# Altium PCB Testopstelling_DA_BOX_STEDIN_V2.PcbDoc (part 1 of 3) (continued)
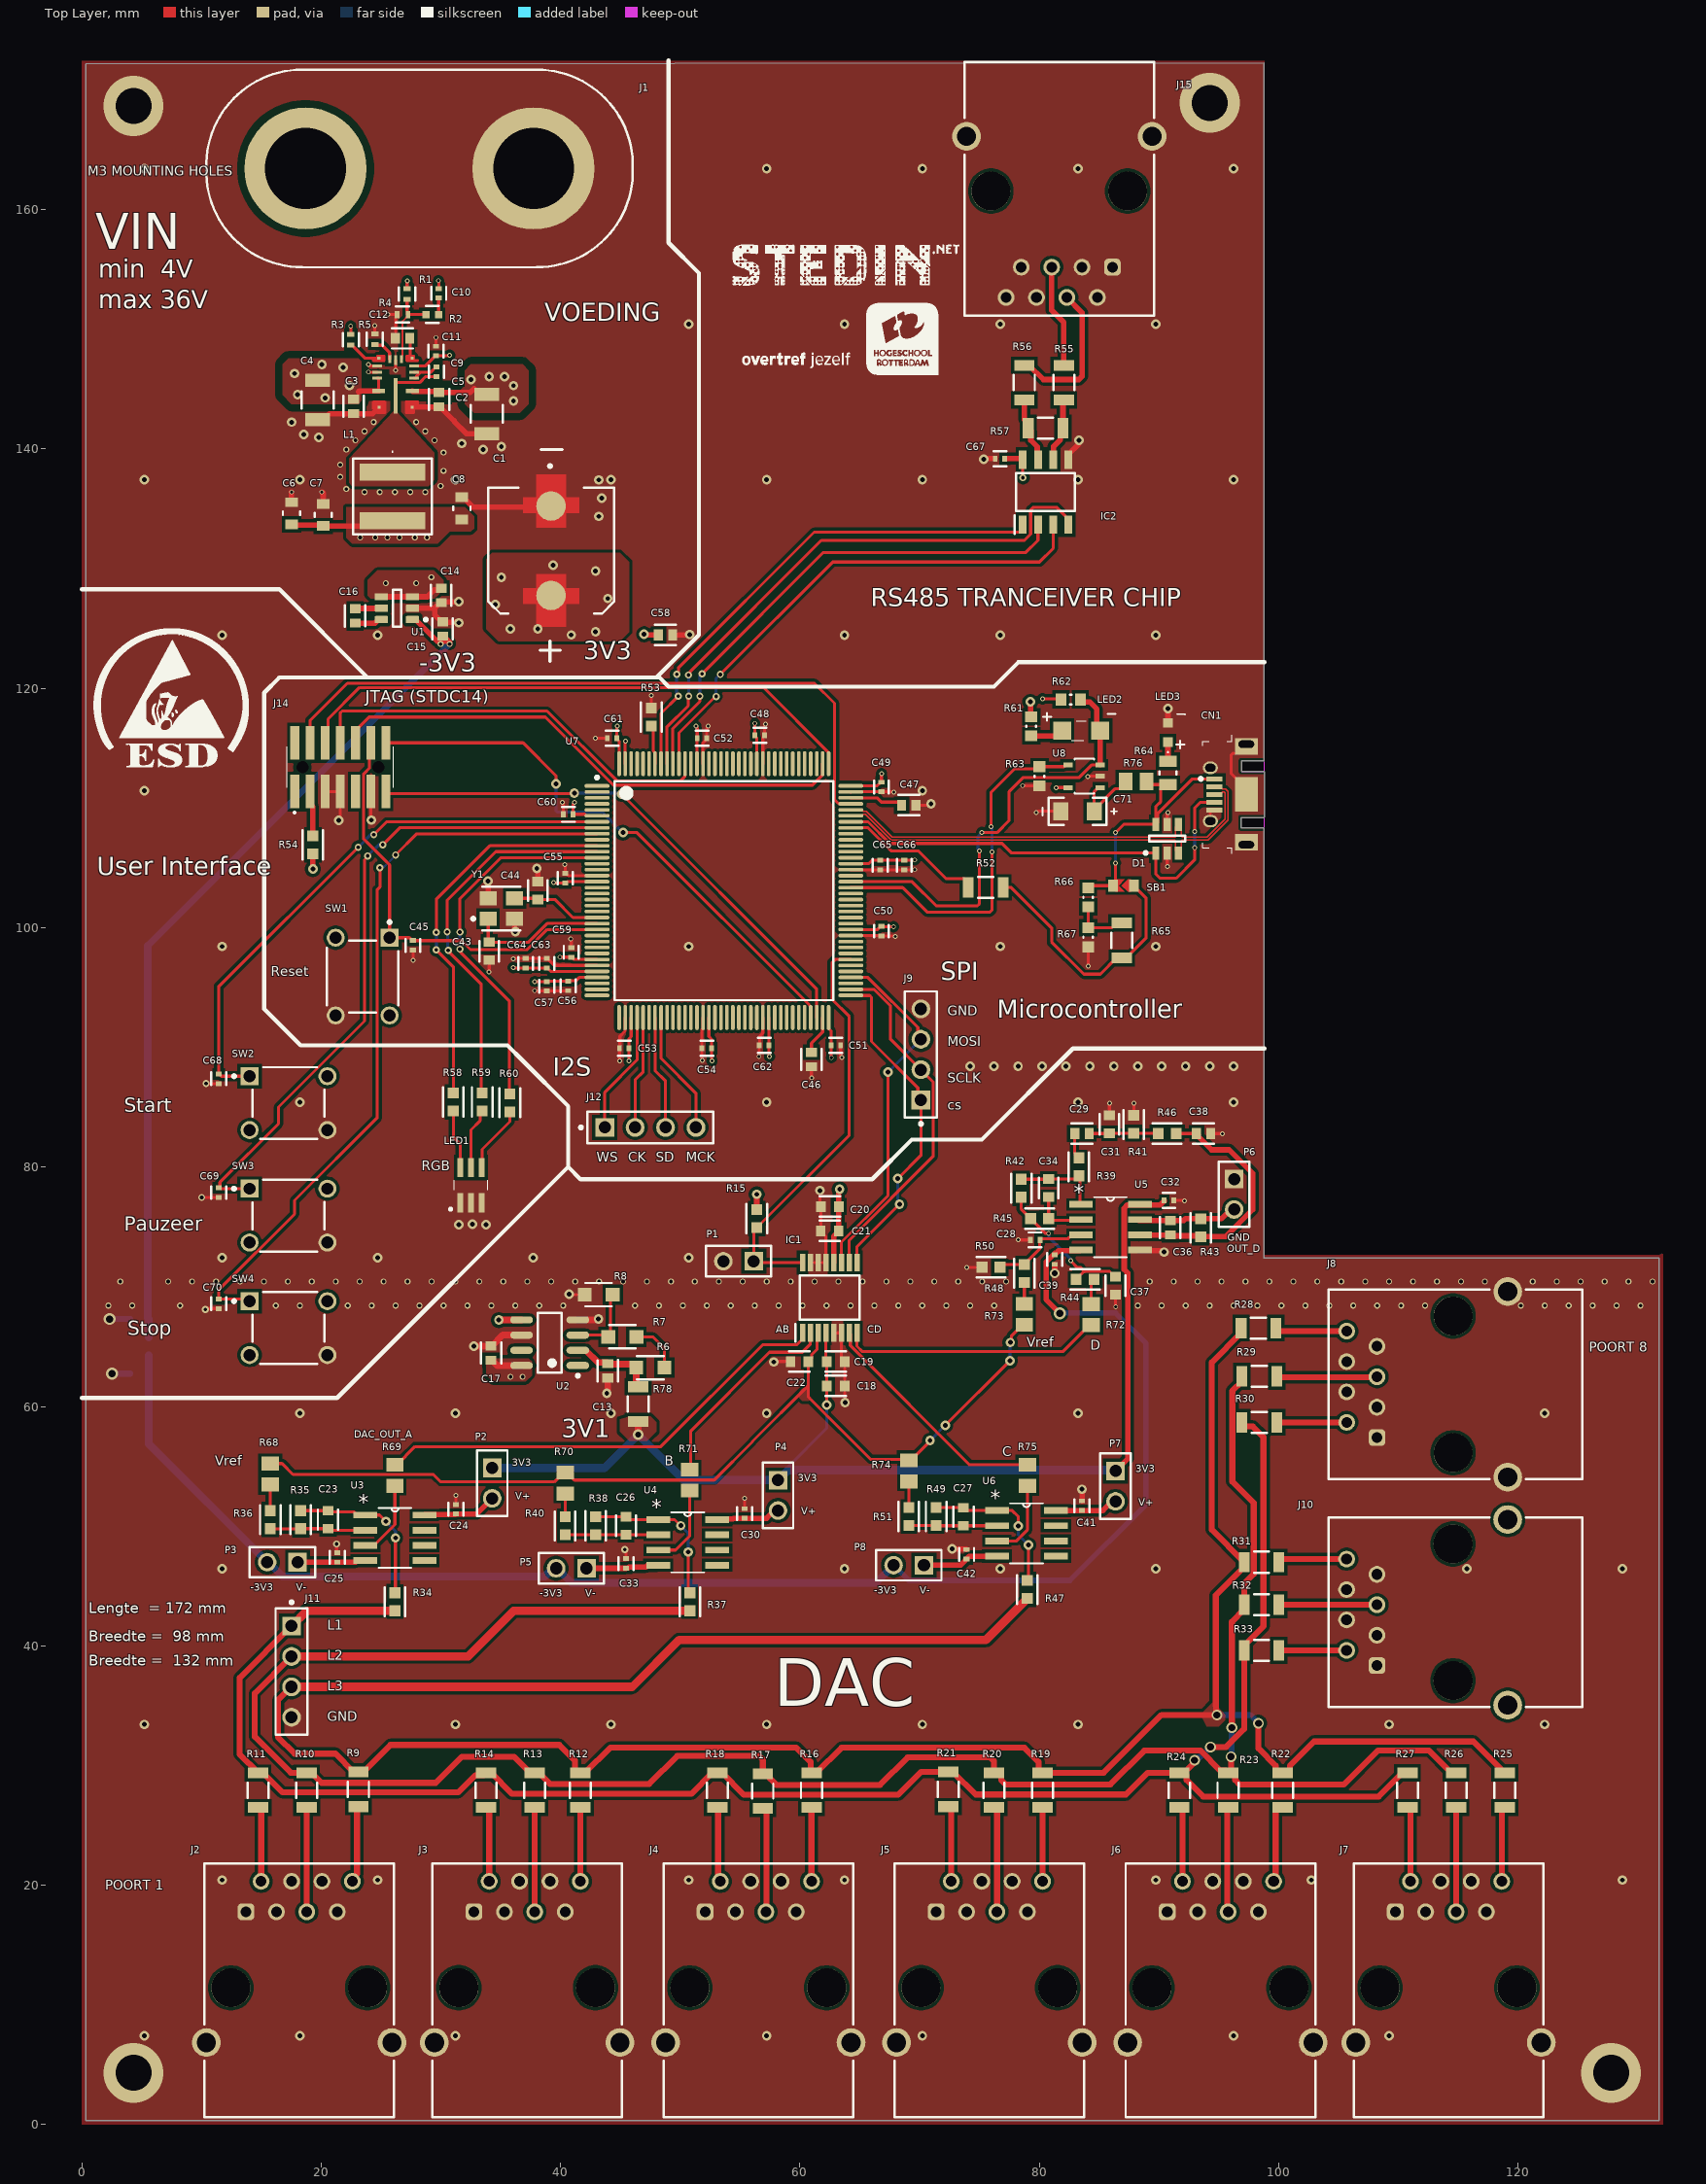
[diagram p0: Top Layer view]
## Part data (continued)
C34: library part CMP-03422-001062-1, "AC0603 68 pF NP0 5.00% 50 V", Manufacturer=Yageo, Manufacturer Part Number=AC0603JRNPO9BN271, Package=AC0603, Temperature="-55°C to +125°C", Temperature Characteristic=NP0, Temperature Coefficient=15%, Temperature Range High=+125°C, Temperature Range Low=-55°C, Tolerance=0.05, Voltage Rating="50 V", Automotive=Yes, Automotive Grade="Grade 1", Capacitance="68 pF", Category=Cap, ComponentLink2Description=Datasheet, ComponentLink2URL=http://www.yageo.com/documents/recent/UPY-AC_NP0X7R_16V-to-630V_12.pdf, Device Class L1="Passive Components", Device Class L2=Capacitors, Device Class L3="Ceramic Capacitors", Footprint Url=http://www.yageo.com/exep/pages/download/literatures/UPY-C_GEN_24.pdf, Generic part Eurocircuits=GPC0603680, Height=0.9mm, Ipc Land Pattern Name=CAPC16080X80, Lead Free=Yes, Material=Ceramic, Octopart=https://octopart.com/ac0603jrnpo9bn271-yageo-87214073, RoHS=TRUE
C36 C38: library part CMP-2006-03056-2, "CAP CER 15 nF 50V 5% X7R 0603                                           Eurocircuits generic components:                                 GPC0603153", Manufacturer=KEMET, Manufacturer Part Number=C0603C104J5RACTU, Package=C0603C-CF, Temperature="-55°C to +125°C", Temperature Characteristic=X7R, Temperature Coefficient=30ppm/°C, Temperature Range High=+125°C, Temperature Range Low=-55°C, Tolerance=0.05, Voltage Rating="50 V", Automotive=Yes, Automotive Grade="Grade 1", Capacitance="15 nF", Category=Cap, ComponentLink2Description=Datasheet, ComponentLink2URL=https://api.kemet.com/component-edge/download/datasheet/C0603C100J5GACAUTO.pdf, Device Class L1="Passive Components", Device Class L2=Capacitors, Device Class L3="Ceramic Capacitors", Digikey Description="CAP CER 0.1UF 50V 5% X7R 0603", Generic part Eurocircuits=GPC0603153, Height=0.87mm, Lead Free=Yes, Material=Ceramic, Mouser Description="Multilayer Ceramic Capacitors MLCC - SMD/SMT 50volts 0.1uF X7R 5%", Octopart=https://octopart.com/c0603c104j5ractu-kemet-10440638, RoHS=TRUE
C37: library part CMP-03422-001062-1, "AC0603 330 pF NP0 5.00% 50 V", Manufacturer=Yageo, Manufacturer Part Number=AC0603JRNPO9BN271, Package=AC0603, Temperature="-55°C to +125°C", Temperature Characteristic=NP0, Temperature Coefficient=15%, Temperature Range High=+125°C, Temperature Range Low=-55°C, Tolerance=0.05, Voltage Rating="50 V", Automotive=Yes, Automotive Grade="Grade 1", Capacitance="330 pF", Category=Cap, ComponentLink2Description=Datasheet, ComponentLink2URL=http://www.yageo.com/documents/recent/UPY-AC_NP0X7R_16V-to-630V_12.pdf, Device Class L1="Passive Components", Device Class L2=Capacitors, Device Class L3="Ceramic Capacitors", Footprint Url=http://www.yageo.com/exep/pages/download/literatures/UPY-C_GEN_24.pdf, Generic part Eurocircuits=GPC0603331, Height=0.9mm, Ipc Land Pattern Name=CAPC16080X80, Lead Free=Yes, Material=Ceramic, Octopart=https://octopart.com/ac0603jrnpo9bn271-yageo-87214073, RoHS=TRUE
C43 C44: library part CMP-03422-001062-1, "AC0603 15 pF NP0 5.00% 50 V", Capacitance="30 pF", Manufacturer=Yageo, Manufacturer Part Number=AC0603JRNPO9BN271, Package=AC0603, Temperature="-55°C to +125°C", Temperature Characteristic=NP0, Temperature Coefficient=15%, Temperature Range High=+125°C, Temperature Range Low=-55°C, Tolerance=0.05, Voltage Rating="50 V", Automotive=Yes, Automotive Grade="Grade 1", Category=Cap, ComponentLink2Description=Datasheet, ComponentLink2URL=http://www.yageo.com/documents/recent/UPY-AC_NP0X7R_16V-to-630V_12.pdf, Device Class L1="Passive Components", Device Class L2=Capacitors, Device Class L3="Ceramic Capacitors", Footprint Url=http://www.yageo.com/exep/pages/download/literatures/UPY-C_GEN_24.pdf, Generic part Eurocircuits=GPC0603150, Height=0.9mm, Ipc Land Pattern Name=CAPC16080X80, Lead Free=Yes, Material=Ceramic, Octopart=https://octopart.com/ac0603jrnpo9bn271-yageo-87214073, RoHS=TRUE
C57 C64 C66: library part CMP-2100-03641-2, "CAP CER 1UF 16V X7R 0402", Capacitance=1μF, Manufacturer=Murata, Manufacturer Part Number=GRM155R71C104KA88D, Package=GRM15, Temperature="-55°C to +125°C", Temperature Characteristic=X7R, Temperature Range High=+125°C, Temperature Range Low=-55°C, Tolerance=10%, Voltage Rating=16Vdc, Category=Cap, ComponentLink2Description=Datasheet, ComponentLink2URL=https://search.murata.co.jp/Ceramy/image/img/A01X/G101/ENG/GRM155R71H471KA01-01A.pdf, Device Class L1="Passive Components", Device Class L2=Capacitors, Device Class L3="Ceramic Capacitors", Digikey Description="CAP CER 0.1UF 16V X7R 0402", Eurocircuits generic parts=GPC0402105-16, Height=0.55mm, Ipc Land Pattern Name=CAPC10050X219, Lead Free=yes, Material=Ceramic, Mouser Description="0402 0.1 uF 16V ±10 % Tolerance X7R SMT Multilayer Ceramic Capacitor", Octopart=https://octopart.com/grm155r71c104ka88d-murata-196880, RoHS=TRUE, Standoff Height=0mm
C63: library part CMP-2100-03641-2, "CAP CER 10nF 16V X7R 0402", Manufacturer=Murata, Manufacturer Part Number=GRM155R71C104KA88D, Package=GRM15, Temperature="-55°C to +125°C", Temperature Characteristic=X7R, Temperature Range High=+125°C, Temperature Range Low=-55°C, Tolerance=10%, Voltage Rating=16Vdc, Capacitance=10nF, Category=Cap, ComponentLink2Description=Datasheet, ComponentLink2URL=https://search.murata.co.jp/Ceramy/image/img/A01X/G101/ENG/GRM155R71H471KA01-01A.pdf, Device Class L1="Passive Components", Device Class L2=Capacitors, Device Class L3="Ceramic Capacitors", Digikey Description="CAP CER 0.1UF 16V X7R 0402", Eurocircuits generic parts=GPC0402103, Height=0.55mm, Ipc Land Pattern Name=CAPC10050X219, Lead Free=yes, Material=Ceramic, Mouser Description="0402 0.1 uF 16V ±10 % Tolerance X7R SMT Multilayer Ceramic Capacitor", Octopart=https://octopart.com/grm155r71c104ka88d-murata-196880, RoHS=TRUE, Standoff Height=0mm
C71: library part "Cap Pol1", "Polarized Capacitor (Radial)", Published=8-Jun-2000, Publisher="Altium Limited", Revision="July-2002: Re-released for DXP Platform."
D1: "4-line ESD protection", Manuf_1=STM, Manuf_Part_1=ESDA5V3L, Distrib=ST, ECCN_US/EU=EAR99/NEC, Order=ESDA5V3L, Ordered by=STM, Provided=ST, Ref St=9179034
DNP1 DNP2: "Is just 0603 footprint. So that you can solder 0603 components on it after you ordered youre PCB."
IC1: "Integrated Circuit", Manufacturer_Name="Texas Instruments", Mouser Part Number=595-DAC8564IAPW, Arrow Part Number=DAC8564IAPW, Arrow Price/Stock=https://www.arrow.com/en/products/dac8564iapw/texas-instruments?region=nac, Datasheet Link=http://www.ti.com/lit/gpn/dac8564, Height=1.2mm, Manufacturer_Part_Number=DAC8564IAPW, Mouser Price/Stock=https://www.mouser.co.uk/ProductDetail/Texas-Instruments/DAC8564IAPW?qs=xL7PkI2RoJ7hkn2IPLSbKw%3D%3D
IC2: "Integrated Circuit", Manufacturer_Name="Analog Devices", Mouser Part Number=700-MAX22506EASA+, Arrow Part Number=MAX22506EASA+, Arrow Price/Stock=https://www.arrow.com/en/products/max22506easa/maxim-integrated?region=nac, Datasheet Link=https://datasheets.maximintegrated.com/en/ds/MAX22506E.pdf, Height=1.75mm, Manufacturer_Part_Number=MAX22506EASA+, Mouser Price/Stock=https://www.mouser.co.uk/ProductDetail/Analog-Devices-Maxim-Integrated/MAX22506EASA%2b?qs=DRkmTr78QARfKAj85YrvXQ%3D%3D
J1: library part CMP-73906-000010-1, "CONN DBL BANANA JACK TURRET", Color=Red, Current Rating=15A, Package Quantity=5, Voltage Rating=2.5kV, Voltage Rating (DC)=70V, Body Material=PC, Contact Material=Brass, Contact Plating=Tin, Depth=16mm, Gender=Female, Height=0.375inch, Housing Color=Red, Housing Material=Polycarbonate, Insulation="Mating End Insulated", Insulation Material=Polycarbonate, Lead Free="Lead Free", Length=24inch, Max Current Rating=15A, Mount=Panel, Number of Contacts=2, Number of Ports=2, Orientation=Straight, Packaging=Bulk, REACH SVHC="No SVHC", RoHS Compliant=Yes, Termination=Solder, Weight=0.033lb, Width=4inch
J2 J3 J4 J5 J6 J7 J8 J10 J15: library part CMP-1502-01695-2, Color=Black, Contact Resistance=20mΩ, Current Rating=1.5A, Flammability Rating="UL94 V-0", Insulation Resistance=500MΩ, Max Operating Temperature=85°C, Min Operating Temperature=-40°C, Operating Supply Voltage=120V, Connector Type="RJ45, Socket", Contact Material=Copper, Contact Plating=Gold, Depth=21.2mm, Direction=Down, Gender=Female, Height=19.95mm, Housing Material=PBT, Insulation Material=PBT, Length=13.65mm, Mount="PCB, Through Hole", NexarPartId=8917800, Number of Contacts=8, Number of Ports=1, Number of Positions=8, Number of Rows=1, Orientation="Right Angle", REACH SVHC=Unknown, RoHS=Compliant, Shielding=Shielded, Termination="Through Hole", Voltage Rating (AC)=120V, Voltage Rating (DC)=120V, Width=15.88mm
J9 J11 J12: library part CMP-02766-001236-1, "GENERIC PART NUMBER: GPHA-1X04 / CONN HEADER VERT 4POS 2.54MM", GENERIC PART NUMBER=GPHA-1X04, Contact Material=Bronze, Contact Plating=Gold, Gender=Male, Mount="Through Hole", Number of Contacts=4, Number of Rows=1, Packaging=Bulk, Pitch=2.54mm, Radiation Hardening=No, REACH SVHC="No SVHC", Termination=Solder
J14: "Board Connector, 14 Contact(s), 2 Row(s), Male, Straight, 0.05 inch Pitch, Surface Mount Terminal, Locking, Receptacle", Manufacturer_Name=SAMTEC, Mouser Part Number=200-FTSH10701LDVKA, Arrow Part Number=FTSH-107-01-L-DV-K-A, Arrow Price/Stock=https://www.arrow.com/en/products/ftsh-107-01-l-dv-k-a/samtec?region=europe, Datasheet Link=http://suddendocs.samtec.com/prints/ftsh-1xx-xx-xxx-dv-xxx-xxx-mkt.pdf, Gender=Male, Manufacturer_Part_Number=FTSH-107-01-L-DV-K-A, Mouser Price/Stock=https://www.mouser.co.uk/ProductDetail/Samtec/FTSH-107-01-L-DV-K-A?qs=PB6%2FjmICvI3xEHFou4PhNg%3D%3D, Number of Contacts=14, Pitch=1.27mm
L1: "8.2 uH Inductor", Manufacturer_Name=COILCRAFT, Mouser Part Number=994-XAL6060-822MEC, Datasheet Link=https://www.coilcraft.com/getmedia/ea51f14b-7f32-4dc6-8dfe-d4b70549040f/xal60xx.pdf, Height=6.1mm, Manufacturer_Part_Number=XAL6060-822MEC, Mouser Price/Stock=https://www.mouser.co.uk/ProductDetail/Coilcraft/XAL6060-822MEC?qs=zCSbvcPd3pZnGF7hddsKzw%3D%3D
LED1: "LED", Manufacturer_Name="Avago Technologies", Mouser Part Number=630-ASMT-YTD7-0AA02, Datasheet Link=https://docs.broadcom.com/docs/AV02-3873EN, Height=1.8mm, Manufacturer_Part_Number=ASMT-YTD7-0AA02, Mouser Price/Stock=https://www.mouser.co.uk/ProductDetail/Broadcom-Avago/ASMT-YTD7-0AA02?qs=eJru1qh8zu7rRIK75I%2FMLw%3D%3D
LED2: "LED", Manufacturer_Name=Lumex, Mouser Part Number=696-SML-LX1206SRC, Arrow Part Number=SML-LX1206SRC-TR, Arrow Price/Stock=https://www.arrow.com/en/products/sml-lx1206src-tr/lumex?region=nac, Datasheet Link=https://www.mouser.com/datasheet/2/244/lumex_lumxs08806-1-1737896.pdf, Manufacturer_Part_Number=SML-LX1206SRC-TR, Mouser Price/Stock=https://www.mouser.co.uk/ProductDetail/Lumex/SML-LX1206SRC-TR?qs=0O4ZBxfQx6vySOktj4gTCg%3D%3D
LED3: "LED", Manufacturer_Name="Wurth Elektronik", Mouser Part Number=710-150060VS75003, Datasheet Link=https://www.we-online.com/catalog/datasheet/150060VS75003.pdf, Height=0.8mm, Manufacturer_Part_Number=150060VS75003, Mouser Price/Stock=https://www.mouser.co.uk/ProductDetail/Wurth-Elektronik/150060VS75003?qs=Li%252BoUPsLEnv2ZkbQUMi3uQ%3D%3D
P1 P2 P3 P4 P5 P6 P7 P8: library part CMP-1024-00328-1, "0.025\" SQ Post Header, Through-hole, Vertical, -55 to 105 degC, 2.54 mm Pitch, 2-Pin, Male, RoHS", Manufacturer=Samtec, Temperature Range="-55 to 105 degC", ComponentLink1Description="Manufacturer URL", ComponentLink1URL=http://www.samtec.com, ComponentLink2Description=Datasheet, ComponentLink2URL=http://www.samtec.com/documents/webfiles/pdf/TSW_TH.PDF, ComponentLink3Description="Package Specification", ComponentLink3URL=http://www.samtec.com/documents/webfiles/cpdf/TSW-XXX-XX-XXX-X-XX-XXX-MKT.pdf, DatasheetVersion=F-214, Mounting Technology=Through-hole, Orientation=Vertical, PackageDescription=".025[0.64] SQ. Post Terminal Strip Assembly", PackageReference=TSW-102-26-XX-S, PackageVersion="DM, 8/1988", PartNumber=TSW-102-26-T-S, Pitch="2.54 mm", RoHS=True
R1 R3 R5: library part CMP-02407-010951-1, "RES 100K OHM 1% 1/16W 0402", Case/Package=SMD/SMT, Max Operating Temperature=155°C, Min Operating Temperature=-55°C, Power Rating=62.5mW, Resistance=100kR, Resistor Type="Thick Film", Temperature Coefficient=100ppm/°C, Tolerance=1%, Contact Plating=Tin, Lead Free="Lead Free", Length=1mm, Mount="Surface Mount", RoHS Compliant=Yes, Termination=Wraparound
R2: library part CMP-2002-00057-2, "RES Thick Film, 4.99kΩ, 1%, 0.063W, 100ppm/°C, 0402", Case Code (Imperial)=0402, Case Code (Metric)=1005, Max Operating Temperature=155°C, Max Power Dissipation=63mW, Min Operating Temperature=-55°C, Package Quantity=10, Resistance=4.99kR, Temperature Coefficient=100ppm/°C, Tolerance=1%, Voltage Rating=50V, Case/Package=0402, Composition="Thick Film", Contact Plating=Tin, Depth=0.5mm, Features="Automotive AEC-Q200", Height=0.35mm, Lead Free="Lead Free", Length=1mm, Military Standard=Not, Mount="Surface Mount", Number of Terminations=2, Packaging="Tape and Reel", Power Rating=63mW, Radiation Hardening=No, Termination=SMD/SMT, Voltage Rating (DC)=50V, Weight=2.3E-05oz, Width=0.5mm
R4: library part CMP-02407-010951-1, "RES 43k OHM 1% 1/16W 0402", Case/Package=SMD/SMT, Max Operating Temperature=155°C, Min Operating Temperature=-55°C, Power Rating=62.5mW, Resistor Type="Thick Film", Temperature Coefficient=100ppm/°C, Tolerance=1%, Contact Plating=Tin, Lead Free="Lead Free", Length=1mm, Mount="Surface Mount", Resistance=43k, RoHS Compliant=Yes, Termination=Wraparound
R6 R7 R8: library part CMP-2001-00027-2, "RES SMD 20K OHM 1% 1/8W 0805", Case Code (Imperial)=0805, Case Code (Metric)=2012, Max Operating Temperature=155°C, Max Power Dissipation=125mW, Min Operating Temperature=-55°C, Package Quantity=1, Resistance=20kR, Resistance Tolerance=1%, Resistor Type="Thick Film", Temperature Coefficient=100ppm/°C, Voltage Rating=150V, Case/Package=0805, Construction=Rectangular, Contact Plating=Tin, Depth=1.25mm, Features="Automotive AEC-Q200", Height=0.6mm, Lead Free="Lead Free", Length=2mm, Military Standard=Not, Mount="Surface Mount", Number of Terminations=2, Packaging="Tape and Reel", Power Rating=125mW, Radiation Hardening=No, REACH SVHC="No SVHC", RoHS Compliant=Yes, Series=ERJ, Technology="THICK FILM", Termination=SMD/SMT, Tolerance=1%, Voltage Rating (DC)=150V, Width=0.049inch, Working Voltage=150V
R9 R10 R11 R12 R13 R14 R16 R17 R18 R19 R20 R21 R22 R23 R24 R25 R26 R27 R28 R29 R30 R31 R32 R33 R52 R55 R56 R65 R78: library part CMP-00030-39388935-1, "CRCW12060000ZSTA Zero Ohm Resistor, Jumper, 1206 [3216 Metric], Thick Film, 250 mW, Surface Mount", Case Code (Imperial)=1206, Case Code (Metric)=3216, Max Operating Temperature=155°C, Max Power Dissipation=250mW, Min Operating Temperature=-55°C, Resistance=0Ω, Temperature Coefficient=100ppm/°C, Voltage Rating=200V, Case/Package=1206, Composition="Thick Film", Contact Plating="Lead, Tin", Depth=1.6mm, Features="Automotive AEC-Q200", Height=609.6µm, Lead Free="Contains Lead", Length=3.2mm, Military Standard=Not, Mount="Surface Mount", NexarPartId=39388935, Number of Terminations=2, Packaging="Cut Tape", Power Rating=250mW, Radiation Hardening=No, REACH SVHC=Unknown, RoHS=Compliant, Termination=SMD/SMT, Voltage Rating (DC)=200V, Weight=10.007382mg, Width=1.6mm
R15 R35 R36 R38 R40 R49 R51: library part CMP-13261-004935-1, "Res Thick Film 0603 11kΩ 1% 0.1W ±100ppm/°C Molded SMD T/R", Case/Package=0603, Max Operating Temperature=155°C, Min Operating Temperature=-55°C, Power Rating=100mW, Resistance=11k, Temperature Coefficient=100ppm/°C, Tolerance=1%, Voltage Rating (DC)=50V, Composition="Thick Film", Contact Plating=Tin, Depth=0.8mm, Generic part Eurocircuits=GPR060311K, Lead Free="Lead Free", Length=1.6mm, Military Standard=Not, Packaging="Tape and Reel", Radiation Hardening=No, Width=800um
R34 R37 R47: library part CMP-13261-004935-1, "Res Thick Film 0603 100Ω 1% 0.1W ±100ppm/°C Molded SMD T/R", Case/Package=0603, Max Operating Temperature=155°C, Min Operating Temperature=-55°C, Power Rating=100mW, Resistance=11k, Temperature Coefficient=100ppm/°C, Tolerance=1%, Voltage Rating (DC)=50V, Composition="Thick Film", Contact Plating=Tin, Depth=0.8mm, Generic part Eurocircuits=GPR060311K, Lead Free="Lead Free", Length=1.6mm, Military Standard=Not, Packaging="Tape and Reel", Radiation Hardening=No, Width=800um
R39: library part CMP-13261-004935-1, "Res Thick Film 0603 620Ω 1% 0.1W ±100ppm/°C Molded SMD T/R", Case/Package=0603, Max Operating Temperature=155°C, Min Operating Temperature=-55°C, Power Rating=100mW, Temperature Coefficient=100ppm/°C, Tolerance=1%, Voltage Rating (DC)=50V, Composition="Thick Film", Contact Plating=Tin, Depth=0.8mm, Generic part Eurocircuits=GPR0603620R, Lead Free="Lead Free", Length=1.6mm, Military Standard=Not, Packaging="Tape and Reel", Radiation Hardening=No, Resistance=620, Width=800um
R41: library part CMP-13261-004935-1, "Res Thick Film 0603 51kΩ 1% 0.1W ±100ppm/°C Molded SMD T/R", Case/Package=0603, Max Operating Temperature=155°C, Min Operating Temperature=-55°C, Power Rating=100mW, Temperature Coefficient=100ppm/°C, Tolerance=1%, Voltage Rating (DC)=50V, Composition="Thick Film", Contact Plating=Tin, Depth=0.8mm, Generic part Eurocircuits=GPR060351K, Lead Free="Lead Free", Length=1.6mm, Military Standard=Not, Packaging="Tape and Reel", Radiation Hardening=No, Resistance=51k, Width=800um
R42 R44 R48 R50: library part CMP-13261-004935-1, "Res Thick Film 0603 11kΩ 1% 0.1W ±100ppm/°C Molded SMD T/R", Case/Package=0603, Max Operating Temperature=155°C, Min Operating Temperature=-55°C, Power Rating=100mW, Temperature Coefficient=100ppm/°C, Tolerance=1%, Voltage Rating (DC)=50V, Composition="Thick Film", Contact Plating=Tin, Depth=0.8mm, Generic part Eurocircuits=GPR060311K, Lead Free="Lead Free", Length=1.6mm, Military Standard=Not, Packaging="Tape and Reel", Radiation Hardening=No, Resistance=11k, Width=800um
R43 R46 R53: library part CMP-13261-004935-1, "Res Thick Film 0603 10kΩ 1% 0.1W ±100ppm/°C Molded SMD T/R /  / Generic part Eurocircuits: /  GPR060310K", Case/Package=0603, Max Operating Temperature=155°C, Min Operating Temperature=-55°C, Power Rating=100mW, Temperature Coefficient=100ppm/°C, Tolerance=1%, Voltage Rating (DC)=50V, Composition="Thick Film", Contact Plating=Tin, Depth=0.8mm, Generic part Eurocircuits=GPR060310K, Lead Free="Lead Free", Length=1.6mm, Military Standard=Not, Packaging="Tape and Reel", Radiation Hardening=No, Resistance=10k, Width=800um
R45: library part CMP-13261-004935-1, "Res Thick Film 0603 3kΩ 1% 0.1W ±100ppm/°C Molded SMD T/R", Case/Package=0603, Max Operating Temperature=155°C, Min Operating Temperature=-55°C, Power Rating=100mW, Temperature Coefficient=100ppm/°C, Tolerance=1%, Voltage Rating (DC)=50V, Composition="Thick Film", Contact Plating=Tin, Depth=0.8mm, Generic part Eurocircuits=GPR06033K, Lead Free="Lead Free", Length=1.6mm, Military Standard=Not, Packaging="Tape and Reel", Radiation Hardening=No, Resistance=3k, Width=800um
R54: library part CMP-13261-004935-1, "Res Thick Film 0603 22Ω 1% 0.1W ±100ppm/°C Molded SMD T/R /  / Generic part Eurocircuits: /  GPR060310K", Case/Package=0603, Max Operating Temperature=155°C, Min Operating Temperature=-55°C, Power Rating=100mW, Temperature Coefficient=100ppm/°C, Tolerance=1%, Voltage Rating (DC)=50V, Composition="Thick Film", Contact Plating=Tin, Depth=0.8mm, Generic part Eurocircuits=GPR060322R, Lead Free="Lead Free", Length=1.6mm, Military Standard=Not, Packaging="Tape and Reel", Radiation Hardening=No, Resistance=22, Width=800um
R57: library part CMP-00030-39388935-1, "CRCW12060000ZS120 Ohm Resistor, Jumper, 1206 [3216 Metric], Thick Film, 250 mW, Surface Mount", Case Code (Imperial)=1206, Case Code (Metric)=3216, Max Operating Temperature=155°C, Max Power Dissipation=250mW, Min Operating Temperature=-55°C, Resistance=120Ω, Temperature Coefficient=100ppm/°C, Voltage Rating=200V, Case/Package=1206, Composition="Thick Film", Contact Plating="Lead, Tin", Depth=1.6mm, Features="Automotive AEC-Q200", Height=609.6µm, Lead Free="Contains Lead", Length=3.2mm, Military Standard=Not, Mount="Surface Mount", NexarPartId=39388935, Number of Terminations=2, Packaging="Cut Tape", Power Rating=250mW, Radiation Hardening=No, REACH SVHC=Unknown, RoHS=Compliant, Termination=SMD/SMT, Voltage Rating (DC)=200V, Weight=10.007382mg, Width=1.6mm
R58 R59: library part CMP-13261-004935-1, "Res Thick Film 0603 39Ω 1% 0.1W ±100ppm/°C Molded SMD T/R /  / Generic part Eurocircuits: /  GPR060310K", Case/Package=0603, Max Operating Temperature=155°C, Min Operating Temperature=-55°C, Power Rating=100mW, Resistance=39Ohm, Temperature Coefficient=100ppm/°C, Tolerance=1%, Voltage Rating (DC)=50V, Composition="Thick Film", Contact Plating=Tin, Depth=0.8mm, Generic part Eurocircuits=GPR060310K, Lead Free="Lead Free", Length=1.6mm, Military Standard=Not, Packaging="Tape and Reel", Radiation Hardening=No, Width=800um
R60: library part CMP-13261-004935-1, "Res Thick Film 0603 82Ω 1% 0.1W ±100ppm/°C Molded SMD T/R /  / Generic part Eurocircuits: /  GPR060310K", Case/Package=0603, Max Operating Temperature=155°C, Min Operating Temperature=-55°C, Power Rating=100mW, Temperature Coefficient=100ppm/°C, Tolerance=1%, Voltage Rating (DC)=50V, Composition="Thick Film", Contact Plating=Tin, Depth=0.8mm, Generic part Eurocircuits=GPR060310K, Lead Free="Lead Free", Length=1.6mm, Military Standard=Not, Packaging="Tape and Reel", Radiation Hardening=No, Resistance=82, Width=800um
R61 R63: library part Res1, "Resistor", Published=8-Jun-2000, Publisher="Altium Limited", Revision="July-2002: Re-released for DXP Platform."
R62 R66 R67: library part res1, "Resistor", Published=8-Jun-2000, Publisher="Altium Limited", Revision="July-2002: Re-released for DXP Platform."
R64: library part CMP-2001-03682-2, "RES Thick Film, 220Ω, 1%, 0.125W, 100ppm/°C, 0805", Case Code (Imperial)=0805, Case Code (Metric)=2012, Max Operating Temperature=155°C, Max Power Dissipation=125mW, Min Operating Temperature=-55°C, Package Quantity=10, Resistance=220R, Temperature Coefficient=100ppm/°C, Tolerance=1%, Voltage Rating=150V, Case/Package=0805, Composition="Thick Film", Contact Plating=Tin, Depth=1.25mm, Features="Automotive AEC-Q200", Height=0.45mm, Lead Free="Lead Free", Length=2mm, Military Standard=Not, Mount="Surface Mount", Number of Terminations=2, Packaging="Tape and Reel", Power Rating=125mW, Radiation Hardening=No, Termination=SMD/SMT, Voltage Rating (DC)=150V, Weight=0.000194oz, Width=0.049inch
R68 R69 R70 R71 R72 R73 R74 R75 R76: library part CMP-1665-00002-5, "Chip Resistor, 0 Ohm, +/- 1%, 0.125 W, -55 to 155 degC, 0805 (2012 Metric), RoHS, Tape and Reel", Case Code (Imperial)=0805, Case Code (Metric)=2012, Max Operating Temperature="155 degC", Min Operating Temperature="-55 degC", Package Quantity=5000, PartNumber=ERJ-6GEY0R00V, Resistance="0 Ohm", Tolerance=5%, Case/Package=0805, ComponentLink1Description="Manufacturer URL", ComponentLink1URL=http://www.panasonic.com/, ComponentLink2Description=Datasheet, ComponentLink2URL=http://industrial.panasonic.com/cdbs/www-data/pdf/RDA0000/AOA0000C84.pdf, DatasheetVersion=03/2015, Height="0.6 mm", Length="2 mm", Mounting Technology="Surface Mount", PackageDescription="2-Pin Surface Mount Device, Body 2 x 1.25 mm", Packaging="Tape and Reel", Radiation Hardening=No, REACH SVHC="No SVHC", RoHSCompliant=True, Width="1.25 mm"
R77: library part CMP-2100-03667-1, "Chip Resistor, 0 Ohm, +/- 5%, 0.1 W, -55 to 155 degC, 0603 (1608 Metric), RoHS, Tape and Reel", Case Code (Imperial)=0603, Case Code (Metric)=1608, Manufacturer=Yageo, Max Operating Temperature=155degC, Min Operating Temperature=-55degC, Package Description="2-Pin Surface Mount Device, Body 1.6 x 0.8 mm", Package Quantity=5000, Power Rating=100mW, Resistance=0mOhm, Temperature Coefficient=200ppm/degreesC, Tolerance=5%, Voltage Rating=50V, Case/Package=0603, Composition=ThickFilm, Contact Plating=Tin, Datasheet URL=http://www.yageo.com/NewPortal/yageodocoutput?fileName=/pdf/R-Chip/PYu-RC_Group_51_RoHS_L_5.pdf, Datasheet Version="Rev. 5, 10/2016", Depth=0.8mm, Height=0.45mm, Lead Free=LeadFree, Length=1.6mm, Manufacturer URL=http://www.yageo.com/, Military Standard=Not, Number of Pins=2, Package Reference=0603, Packaging=TapeandReel, Radiation Hardening=No, REACH SVHC=NoSVHC, RoHSCompliant=true, Termination=SMD/SMT, Voltage Rating (DC)=50V, Width=0.8mm
SB1: library part "Circuit Breaker", "Circuit Breaker", Published=24-Mar-1999, Publisher="Altium Limited", Revision="July-2002: Re-released for DXP Platform."
SW1 SW2 SW3 SW4: library part CMP-1677-00002-1, "Tactile Switch, SPST-NO, 0.05 A, 5 to 24 V, -25 to 70 degC, 4-Pin THD, RoHS, Bulk", Capacitance="-45 f", Current Rating="1.5 A", Max Operating Temperature="70 degC", Min Operating Temperature="-40 degC", Package Quantity=1080, Voltage Rating="150 V", ComponentLink1Description="Manufacturer URL", ComponentLink1URL=http://www.omron.com/, ComponentLink2Description=Datasheet, ComponentLink2URL=http://www.omron.com/ecb/products/pdf/en-b3f.pdf, Contact Material=Brass, Contact Plating=Gold, DatasheetVersion=Jan-15, Gender=Female, Height="14.99 mm", Lead Pitch="1.27 mm", Length="18.34 mm", Mount="Through Hole", PackageDescription="4-Pin Through Hole Device, Body 6 x 6 mm", PackageReference=B3F-1000, Packaging=Tray, Pins=8, Radiation Hardening=No, RoHSCompliant=true, Shielding=Shielded, Width="25.4 mm"
U1: library part CMP-04918-000109-1, "IC REG CHARGE PUMP INV SOT23", Ambient Temperature Range High=+85°C, Ambient Temperature Range Low=-40°C, Manufacturer="Texas Instruments", Max Junction Temp=+125°C, Max Supply Voltage=5.5V, Min Supply Voltage=2.7V, Negative Voltage Available=true, Nominal Supply Current=100uA, Output Current=200mA, Output Voltage=-2.7-5.5V, Package=DBV0006A, Switching Frequency=2MHz, Temperature="-40°C to +85°C", Automotive=No, Category=IC, ComponentLink2Description=Datasheet, ComponentLink2URL=http://www.ti.com/lit/ds/symlink/lm2776.pdf, Device Class L1="Integrated Circuits (ICs)", Device Class L2="Power Management ICs", Device Class L3="Voltage Regulators - Switching", Digikey Description="IC REG CHARGE PUMP INV SOT23", Height=1.45mm, Lead Free=Yes, Manufacturer Part Number=LM2776DBVR, Number Of Outputs=1, Octopart=https://octopart.com/lm2776dbvr-texas+instruments-58839919, Output Type=Fixed, RoHS=TRUE, Standoff Height=0mm, Switching Topology="Charge Pump", Temperature Range High=+85°C, Temperature Range Low=-40°C
U2: library part CMP-0476-01501-1, "Low 160 mV Dropout Voltage, Internal PNP Pass Element, 200 mV Reference Voltage, 0.9 to 10 V Vin, Adjustable Vout, 8-pin SOIC (S8-8), -40 to 125 degC, Pb-Free", Dropout Voltage(V)=0.155, Manufacturer="Linear Technology", Output Voltage=Adj, Shutdown Current(uA)=3, ComponentLink1Description="Manufacturer URL", ComponentLink1URL=http://www.linear.com/, ComponentLink2Description=Datasheet, ComponentLink2URL=http://cds.linear.com/docs/en/datasheet/3021fc.pdf, ComponentLink3Description="Package Specification", ComponentLink3URL=http://cds.linear.com/docs/en/packaging/05081610_G_SO8.pdf, DatasheetVersion="Rev. C", Discrete Pass Element=no, Iout(mA)=500, Isupply(mA)=0.12, Mounting Technology="Surface Mount", Noise(uV)=300, Number Of Outputs=1, PackageDescription="8-Pin Plastic Small Outline (Narrow .150 Inch), Body 4.9 x 3.9 mm, Pitch 1.27 mm", PackageReference=S8-8, PackageVersion="Rev. G, 03/2012", PartNumber=LT3021ES8#PBF, PSRR(dB)=70, RoHS=TRUE, Vin Max(V)=10, Vin Min(V)=0.9, Vout Max(V)=9.8, Vout Min(V)=0.2
U7: library part CMP-0243-00227-1, "ARM Cortex-M4 32-bit MCU+FPU, 512 KB Flash, 128 KB Internal RAM, 114 I/Os, 144-Pin LQFP, -40 to 105 degC, Tray", I/Os (High Current)=114, Operating Frequency(F) (Processor speed) (MHz)=180, Package Description=LQFP144, Package Reference="144-Pin Low Profile Quad Flat Package, Body 20 x 20 mm, Pitch 0.5 mm", Supply Voltage(Vcc) min (V)=1.7, ComponentLink1Description="Manufacturer URL", ComponentLink1URL=http://www.st.com/, ComponentLink2Description=Datasheet, ComponentLink2URL=http://www.st.com/st-web-ui/static/active/en/resource/technical/document/datasheet/DM00141306.pdf, Core="ARM Cortex-M4", D/A Converter=2, DatasheetVersion="Rev. 6", FLASH Size (Prog) (kB)=512, Internal RAM Size (kB)=128, Mounting Technology="Surface Mount", Packing=Tray
U8: library part STMPS2141STR
Y1: library part CMP-2000-05039-3, "Crystal 12MHz ±20ppm (Tol) ±30ppm (Stability) 18pF FUND 120Ω 4-Pin SMD T/R", Case/Package=CSMD, ESR (Equivalent Series Resistance)=120R, Frequency=12MHz, Frequency Stability=30ppm, Frequency Tolerance=20ppm, Load Capacitance=18pF, Max Operating Temperature=85°C, Min Operating Temperature=-40°C, Operating Frequency="12 MHz", Package Quantity=1000, Depth=2.5mm, Height=1mm, Lead Free="Lead Free", Length=3.2mm, Mount="Surface Mount", Number of Pins=4, Packaging="Tape and Reel", Radiation Hardening=No, Series=ABM8G, Series Resistance=120R, Termination=SMD/SMT, Tolerance=20ppm, Width=2.5mm

## Via types
v1: diameter 0.8, hole 0.4, Top Layer to Bottom Layer, 160 vias
v2: diameter 0.5, hole 0.3, Top Layer to Bottom Layer, 139 vias
v3: diameter 0.4, hole 0.25, Top Layer to Bottom Layer, 74 vias
v4: diameter 0.6, hole 0.3, Top Layer to Bottom Layer, 26 vias
v5: diameter 0.9, hole 0.6, Top Layer to Bottom Layer, 6 vias
v6: diameter 5, hole 3, Top Layer to Bottom Layer, 4 vias
v7: diameter 1, hole 0.6, Top Layer to Bottom Layer, 3 vias
v8: diameter 0.9, hole 0.5, Top Layer to Bottom Layer, 1 vias
v9: diameter 0.8, hole 0.5, Top Layer to Bottom Layer, 1 vias

## Nets (pads, with @x,y where several pads share a name; then routed paths per layer and width w, separated by ;. In a path a pad name is that pad's centre, name@x,y a point inside that pad or via, vN(x,y) a via of type N, cw(c..) or ccw(c..) an arc to the next point about the centre after c; other vN are vias at no path point)
"+3V1 (AVDD)": C18.1 C19.1 C32.1 IC1.4 P2.1 P4.1 P7.1 R78.1 U5.8 | length 95.2
  Top Layer w0.254: IC1.4@62.159,66.15 62.159,63.837 C19.1@62.242,63.754 C18.1@62.242,61.722 v1(62.242,60.122)
  Top Layer w0.454: P7.1@86.36,54.61 87.376,55.626 87.376,71.15 87.084,71.443 87.084,76.565 87.35,76.831 88.349,76.831 U5.8@88.401,76.883 ; U5.8@88.401,76.835 90.093,76.835 90.424,77.166 C32.1@90.424,77.216
  Top Layer w0.554: v8(46.482,57.658) R78.1@46.482,58.748
  Bottom Layer w0.254: 58.842,54.785 62.242,58.185 v1(62.242,60.122)
  Bottom Layer w0.7: P2.1@34.29,54.864 43.688,54.864 v8(46.482,57.658) 50.292,53.848 P4.1@58.166,53.848 58.371,54.053 58.752,54.434 59,54.682 86.288,54.682 P7.1@86.36,54.61